# Altium PCB touch-tara-h-3 (final).PcbDoc (part 3 of 8) (continued)
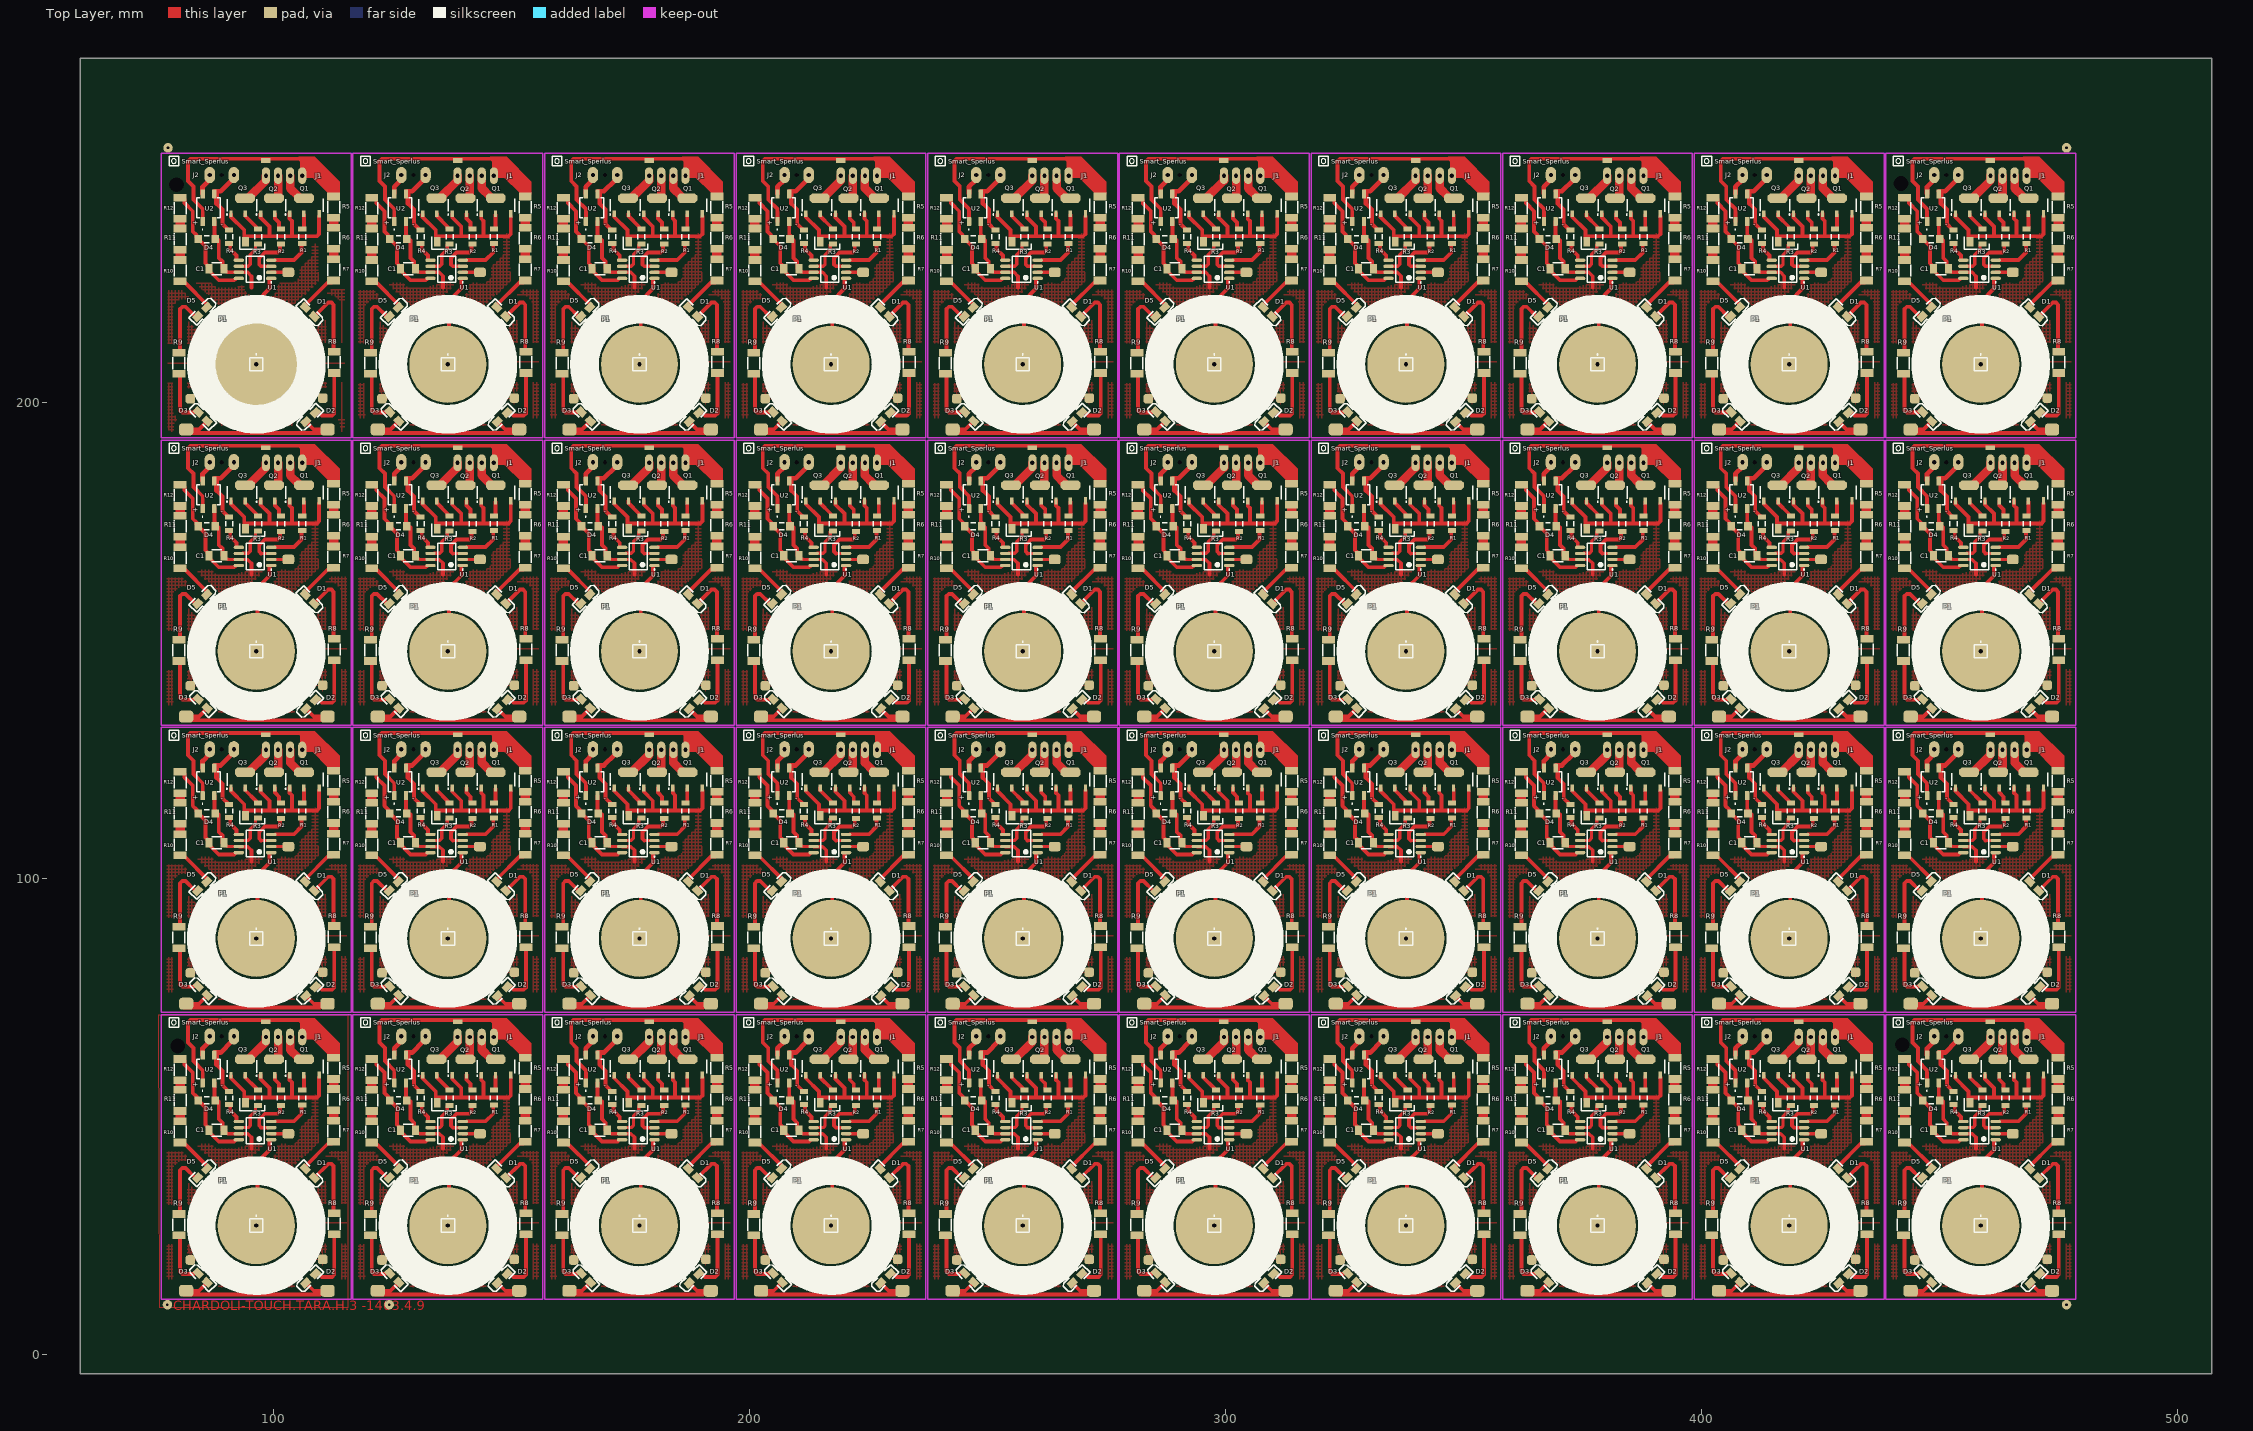
[diagram p0: Top Layer view]
## Nets (pads, with @x,y where several pads share a name; then routed paths per layer and width w, separated by ;. In a path a pad name is that pad's centre, name@x,y a point inside that pad or via, vN(x,y) a via of type N, cw(c..) or ccw(c..) an arc to the next point about the centre after c; other vN are vias at no path point) (continued)
Q3.1@171.601,239.627 Q3.1@211.86,58.652 Q3.1@211.86,118.977 Q3.1@211.86,179.302 Q3.1@211.86,239.627 Q3.1@252.119,58.652 Q3.1@252.119,118.977 Q3.1@252.119,179.302 Q3.1@252.119,239.627 Q3.1@292.378,58.652 Q3.1@292.378,118.977 Q3.1@292.378,179.302 Q3.1@292.378,239.627 Q3.1@332.637,58.652 Q3.1@332.637,118.977 Q3.1@332.637,179.302 Q3.1@332.637,239.627 Q3.1@372.896,58.652 Q3.1@372.896,118.977 Q3.1@372.896,179.302 Q3.1@372.896,239.627 Q3.1@413.155,58.652 Q3.1@413.155,118.977 Q3.1@413.155,179.302 Q3.1@413.155,239.627 Q3.1@453.414,58.652 Q3.1@453.414,118.977 Q3.1@453.414,179.302 Q3.1@453.414,239.627 Q3.2@93.98,122.301 Q3.2@93.98,182.626 Q3.2@93.98,242.951 Q3.2@134.239,61.976 Q3.2@134.239,122.301 Q3.2@134.239,182.626 Q3.2@134.239,242.951 Q3.2@174.498,61.976 Q3.2@174.498,122.301 Q3.2@174.498,182.626 Q3.2@174.498,242.951 Q3.2@214.757,61.976 Q3.2@214.757,122.301 Q3.2@214.757,182.626 Q3.2@214.757,242.951 Q3.2@255.016,61.976 Q3.2@255.016,122.301 Q3.2@255.016,182.626 Q3.2@255.016,242.951 Q3.2@295.275,61.976 Q3.2@295.275,122.301 Q3.2@295.275,182.626 Q3.2@295.275,242.951 Q3.2@335.534,61.976 Q3.2@335.534,122.301 Q3.2@335.534,182.626 Q3.2@335.534,242.951 Q3.2@375.793,61.976 Q3.2@375.793,122.301 Q3.2@375.793,182.626 Q3.2@375.793,242.951 Q3.2@416.052,61.976 Q3.2@416.052,122.301 Q3.2@416.052,182.626 Q3.2@416.052,242.951 Q3.2@456.311,61.976 Q3.2@456.311,122.301 Q3.2@456.311,182.626 Q3.2@456.311,242.951 Q3.3@94.083,118.977 Q3.3@94.083,179.302 Q3.3@94.083,239.627 Q3.3@134.342,58.652 Q3.3@134.342,118.977 Q3.3@134.342,179.302 Q3.3@134.342,239.627 Q3.3@174.601,58.652 Q3.3@174.601,118.977 Q3.3@174.601,179.302 Q3.3@174.601,239.627 Q3.3@214.86,58.652 Q3.3@214.86,118.977 Q3.3@214.86,179.302 Q3.3@214.86,239.627 Q3.3@255.119,58.652 Q3.3@255.119,118.977 Q3.3@255.119,179.302 Q3.3@255.119,239.627 Q3.3@295.378,58.652 Q3.3@295.378,118.977 Q3.3@295.378,179.302 Q3.3@295.378,239.627 Q3.3@335.637,58.652 Q3.3@335.637,118.977 Q3.3@335.637,179.302 Q3.3@335.637,239.627 Q3.3@375.896,58.652 Q3.3@375.896,118.977 Q3.3@375.896,179.302 Q3.3@375.896,239.627 Q3.3@416.155,58.652 Q3.3@416.155,118.977 Q3.3@416.155,179.302 Q3.3@416.155,239.627 Q3.3@456.414,58.652 Q3.3@456.414,118.977 Q3.3@456.414,179.302 Q3.3@456.414,239.627 R1.1@106.045,112.733 R1.1@106.045,173.058 R1.1@106.045,233.383 R1.1@146.304,52.408 R1.1@146.304,112.733 R1.1@146.304,173.058 R1.1@146.304,233.383 R1.1@186.563,52.408 R1.1@186.563,112.733 R1.1@186.563,173.058 R1.1@186.563,233.383 R1.1@226.822,52.408 R1.1@226.822,112.733 R1.1@226.822,173.058 R1.1@226.822,233.383 R1.1@267.081,52.408 R1.1@267.081,112.733 R1.1@267.081,173.058 R1.1@267.081,233.383 R1.1@307.34,52.408 R1.1@307.34,112.733 R1.1@307.34,173.058 R1.1@307.34,233.383 R1.1@347.599,52.408 R1.1@347.599,112.733 R1.1@347.599,173.058 R1.1@347.599,233.383 R1.1@387.858,52.408 R1.1@387.858,112.733 R1.1@387.858,173.058 R1.1@387.858,233.383 R1.1@428.117,52.408 R1.1@428.117,112.733 R1.1@428.117,173.058 R1.1@428.117,233.383 R1.1@468.376,52.408 R1.1@468.376,112.733 R1.1@468.376,173.058 R1.1@468.376,233.383 R1.2@106.045,115.824 R1.2@106.045,176.149 R1.2@106.045,236.474 R1.2@146.304,55.499 R1.2@146.304,115.824 R1.2@146.304,176.149 R1.2@146.304,236.474 R1.2@186.563,55.499 R1.2@186.563,115.824 R1.2@186.563,176.149 R1.2@186.563,236.474 R1.2@226.822,55.499 R1.2@226.822,115.824 R1.2@226.822,176.149 R1.2@226.822,236.474 R1.2@267.081,55.499 R1.2@267.081,115.824 R1.2@267.081,176.149 R1.2@267.081,236.474 R1.2@307.34,55.499 R1.2@307.34,115.824 R1.2@307.34,176.149 R1.2@307.34,236.474 R1.2@347.599,55.499 R1.2@347.599,115.824 R1.2@347.599,176.149 R1.2@347.599,236.474 R1.2@387.858,55.499 R1.2@387.858,115.824 R1.2@387.858,176.149 R1.2@387.858,236.474 R1.2@428.117,55.499 R1.2@428.117,115.824 R1.2@428.117,176.149 R1.2@428.117,236.474 R1.2@468.376,55.499 R1.2@468.376,115.824 R1.2@468.376,176.149 R1.2@468.376,236.474 R2.1@101.6,112.606 R2.1@101.6,172.931 R2.1@101.6,233.256 R2.1@141.859,52.281 R2.1@141.859,112.606 R2.1@141.859,172.931 R2.1@141.859,233.256 R2.1@182.118,52.281 R2.1@182.118,112.606 R2.1@182.118,172.931 R2.1@182.118,233.256 R2.1@222.377,52.281 R2.1@222.377,112.606 R2.1@222.377,172.931 R2.1@222.377,233.256 R2.1@262.636,52.281 R2.1@262.636,112.606 R2.1@262.636,172.931 R2.1@262.636,233.256 R2.1@302.895,52.281 R2.1@302.895,112.606 R2.1@302.895,172.931 R2.1@302.895,233.256 R2.1@343.154,52.281 R2.1@343.154,112.606 R2.1@343.154,172.931 R2.1@343.154,233.256 R2.1@383.413,52.281 R2.1@383.413,112.606 R2.1@383.413,172.931 R2.1@383.413,233.256 R2.1@423.672,52.281 R2.1@423.672,112.606 R2.1@423.672,172.931 R2.1@423.672,233.256 R2.1@463.931,52.281 R2.1@463.931,112.606 R2.1@463.931,172.931 R2.1@463.931,233.256 R2.2@101.6,115.824 R2.2@101.6,176.149 R2.2@101.6,236.474 R2.2@141.859,55.499 R2.2@141.859,115.824 R2.2@141.859,176.149 R2.2@141.859,236.474 R2.2@182.118,55.499 R2.2@182.118,115.824 R2.2@182.118,176.149 R2.2@182.118,236.474 R2.2@222.377,55.499 R2.2@222.377,115.824 R2.2@222.377,176.149 R2.2@222.377,236.474 R2.2@262.636,55.499 R2.2@262.636,115.824 R2.2@262.636,176.149 R2.2@262.636,236.474 R2.2@302.895,55.499 R2.2@302.895,115.824 R2.2@302.895,176.149 R2.2@302.895,236.474 R2.2@343.154,55.499 R2.2@343.154,115.824 R2.2@343.154,176.149 R2.2@343.154,236.474 R2.2@383.413,55.499 R2.2@383.413,115.824 R2.2@383.413,176.149 R2.2@383.413,236.474 R2.2@423.672,55.499 R2.2@423.672,115.824 R2.2@423.672,176.149 R2.2@423.672,236.474 R2.2@463.931,55.499 R2.2@463.931,115.824 R2.2@463.931,176.149 R2.2@463.931,236.474 R3.1@96.774,112.649 R3.1@96.774,172.974 R3.1@96.774,233.299 R3.1@137.033,52.324 R3.1@137.033,112.649 R3.1@137.033,172.974 R3.1@137.033,233.299 R3.1@177.292,52.324 R3.1@177.292,112.649 R3.1@177.292,172.974 R3.1@177.292,233.299 R3.1@217.551,52.324 R3.1@217.551,112.649 R3.1@217.551,172.974 R3.1@217.551,233.299 R3.1@257.81,52.324 R3.1@257.81,112.649 R3.1@257.81,172.974 R3.1@257.81,233.299 R3.1@298.069,52.324 R3.1@298.069,112.649 R3.1@298.069,172.974 R3.1@298.069,233.299 R3.1@338.328,52.324 R3.1@338.328,112.649 R3.1@338.328,172.974 R3.1@338.328,233.299 R3.1@378.587,52.324 R3.1@378.587,112.649 R3.1@378.587,172.974 R3.1@378.587,233.299 R3.1@418.846,52.324 R3.1@418.846,112.649 R3.1@418.846,172.974 R3.1@418.846,233.299 R3.1@459.105,52.324 R3.1@459.105,112.649 R3.1@459.105,172.974 R3.1@459.105,233.299 R3.2@96.774,115.824 R3.2@96.774,176.149 R3.2@96.774,236.474 R3.2@137.033,55.499 R3.2@137.033,115.824 R3.2@137.033,176.149 R3.2@137.033,236.474 R3.2@177.292,55.499 R3.2@177.292,115.824 R3.2@177.292,176.149 R3.2@177.292,236.474 R3.2@217.551,55.499 R3.2@217.551,115.824 R3.2@217.551,176.149 R3.2@217.551,236.474 R3.2@257.81,55.499 R3.2@257.81,115.824 R3.2@257.81,176.149 R3.2@257.81,236.474 R3.2@298.069,55.499 R3.2@298.069,115.824 R3.2@298.069,176.149 R3.2@298.069,236.474 R3.2@338.328,55.499 R3.2@338.328,115.824 R3.2@338.328,176.149 R3.2@338.328,236.474 R3.2@378.587,55.499 R3.2@378.587,115.824 R3.2@378.587,176.149 R3.2@378.587,236.474 R3.2@418.846,55.499 R3.2@418.846,115.824 R3.2@418.846,176.149 R3.2@418.846,236.474 R3.2@459.105,55.499 R3.2@459.105,115.824 R3.2@459.105,176.149 R3.2@459.105,236.474 R4.1@90.678,115.57 R4.1@90.678,175.895 R4.1@90.678,236.22 R4.1@130.937,55.245 R4.1@130.937,115.57 R4.1@130.937,175.895 R4.1@130.937,236.22 R4.1@171.196,55.245 R4.1@171.196,115.57 R4.1@171.196,175.895 R4.1@171.196,236.22 R4.1@211.455,55.245 R4.1@211.455,115.57 R4.1@211.455,175.895 R4.1@211.455,236.22 R4.1@251.714,55.245 R4.1@251.714,115.57 R4.1@251.714,175.895 R4.1@251.714,236.22 R4.1@291.973,55.245 R4.1@291.973,115.57 R4.1@291.973,175.895 R4.1@291.973,236.22 R4.1@332.232,55.245 R4.1@332.232,115.57 R4.1@332.232,175.895 R4.1@332.232,236.22 R4.1@372.491,55.245 R4.1@372.491,115.57 R4.1@372.491,175.895 R4.1@372.491,236.22 R4.1@412.75,55.245 R4.1@412.75,115.57 R4.1@412.75,175.895 R4.1@412.75,236.22 R4.1@453.009,55.245 R4.1@453.009,115.57 R4.1@453.009,175.895 R4.1@453.009,236.22 R4.2@90.678,112.776 R4.2@90.678,173.101 R4.2@90.678,233.426 R4.2@130.937,52.451 R4.2@130.937,112.776 R4.2@130.937,173.101 R4.2@130.937,233.426 R4.2@171.196,52.451 R4.2@171.196,112.776 R4.2@171.196,173.101 R4.2@171.196,233.426 R4.2@211.455,52.451 R4.2@211.455,112.776 R4.2@211.455,173.101 R4.2@211.455,233.426 R4.2@251.714,52.451 R4.2@251.714,112.776 R4.2@251.714,173.101 R4.2@251.714,233.426 R4.2@291.973,52.451 R4.2@291.973,112.776 R4.2@291.973,173.101 R4.2@291.973,233.426 R4.2@332.232,52.451 R4.2@332.232,112.776 R4.2@332.232,173.101 R4.2@332.232,233.426 R4.2@372.491,52.451 R4.2@372.491,112.776 R4.2@372.491,173.101 R4.2@372.491,233.426 R4.2@412.75,52.451 R4.2@412.75,112.776 R4.2@412.75,173.101 R4.2@412.75,233.426 R4.2@453.009,52.451 R4.2@453.009,112.776 R4.2@453.009,173.101 R4.2@453.009,233.426 R5.1@112.649,122.621 R5.1@112.649,182.946 R5.1@112.649,243.271 R5.1@152.908,62.296 R5.1@152.908,122.621 R5.1@152.908,182.946 R5.1@152.908,243.271 R5.1@193.167,62.296 R5.1@193.167,122.621 R5.1@193.167,182.946 R5.1@193.167,243.271 R5.1@233.426,62.296 R5.1@233.426,122.621 R5.1@233.426,182.946 R5.1@233.426,243.271 R5.1@273.685,62.296 R5.1@273.685,122.621 R5.1@273.685,182.946 R5.1@273.685,243.271 R5.1@313.944,62.296 R5.1@313.944,122.621 R5.1@313.944,182.946 R5.1@313.944,243.271 R5.1@354.203,62.296 R5.1@354.203,122.621 R5.1@354.203,182.946 R5.1@354.203,243.271 R5.1@394.462,62.296 R5.1@394.462,122.621 R5.1@394.462,182.946 R5.1@394.462,243.271 R5.1@434.721,62.296 R5.1@434.721,122.621 R5.1@434.721,182.946 R5.1@434.721,243.271 R5.1@474.98,62.296 R5.1@474.98,122.621 R5.1@474.98,182.946 R5.1@474.98,243.271 R5.2@112.649,118.171 R5.2@112.649,178.496 R5.2@112.649,238.821 R5.2@152.908,57.846 R5.2@152.908,118.171 R5.2@152.908,178.496 R5.2@152.908,238.821 R5.2@193.167,57.846 R5.2@193.167,118.171 R5.2@193.167,178.496 R5.2@193.167,238.821 R5.2@233.426,57.846 R5.2@233.426,118.171 R5.2@233.426,178.496 R5.2@233.426,238.821 R5.2@273.685,57.846 R5.2@273.685,118.171 R5.2@273.685,178.496 R5.2@273.685,238.821 R5.2@313.944,57.846 R5.2@313.944,118.171 R5.2@313.944,178.496 R5.2@313.944,238.821 R5.2@354.203,57.846 R5.2@354.203,118.171 R5.2@354.203,178.496 R5.2@354.203,238.821 R5.2@394.462,57.846 R5.2@394.462,118.171 R5.2@394.462,178.496 R5.2@394.462,238.821 R5.2@434.721,57.846 R5.2@434.721,118.171 R5.2@434.721,178.496 R5.2@434.721,238.821 R5.2@474.98,57.846 R5.2@474.98,118.171 R5.2@474.98,178.496 R5.2@474.98,238.821 R6.1@112.649,116.078 R6.1@112.649,176.403 R6.1@112.649,236.728 R6.1@152.908,55.753 R6.1@152.908,116.078 R6.1@152.908,176.403 R6.1@152.908,236.728 R6.1@193.167,55.753 R6.1@193.167,116.078 R6.1@193.167,176.403 R6.1@193.167,236.728 R6.1@233.426,55.753 R6.1@233.426,116.078 R6.1@233.426,176.403 R6.1@233.426,236.728 R6.1@273.685,55.753 R6.1@273.685,116.078 R6.1@273.685,176.403 R6.1@273.685,236.728 R6.1@313.944,55.753 R6.1@313.944,116.078 R6.1@313.944,176.403 R6.1@313.944,236.728 R6.1@354.203,55.753 R6.1@354.203,116.078 R6.1@354.203,176.403 R6.1@354.203,236.728 R6.1@394.462,55.753 R6.1@394.462,116.078 R6.1@394.462,176.403 R6.1@394.462,236.728 R6.1@434.721,55.753 R6.1@434.721,116.078 R6.1@434.721,176.403 R6.1@434.721,236.728 R6.1@474.98,55.753 R6.1@474.98,116.078 R6.1@474.98,176.403 R6.1@474.98,236.728 R6.2@112.649,111.628 R6.2@112.649,171.953 R6.2@112.649,232.278 R6.2@152.908,51.303 R6.2@152.908,111.628 R6.2@152.908,171.953 R6.2@152.908,232.278 R6.2@193.167,51.303 R6.2@193.167,111.628 R6.2@193.167,171.953 R6.2@193.167,232.278 R6.2@233.426,51.303 R6.2@233.426,111.628 R6.2@233.426,171.953 R6.2@233.426,232.278 R6.2@273.685,51.303 R6.2@273.685,111.628 R6.2@273.685,171.953 R6.2@273.685,232.278 R6.2@313.944,51.303 R6.2@313.944,111.628 R6.2@313.944,171.953 R6.2@313.944,232.278 R6.2@354.203,51.303 R6.2@354.203,111.628 R6.2@354.203,171.953 R6.2@354.203,232.278 R6.2@394.462,51.303 R6.2@394.462,111.628 R6.2@394.462,171.953 R6.2@394.462,232.278 R6.2@434.721,51.303 R6.2@434.721,111.628 R6.2@434.721,171.953 R6.2@434.721,232.278 R6.2@474.98,51.303 R6.2@474.98,111.628 R6.2@474.98,171.953 R6.2@474.98,232.278 R7.1@112.649,109.413 R7.1@112.649,169.738 R7.1@112.649,230.063 R7.1@152.908,49.088 R7.1@152.908,109.413 R7.1@152.908,169.738 R7.1@152.908,230.063 R7.1@193.167,49.088 R7.1@193.167,109.413 R7.1@193.167,169.738 R7.1@193.167,230.063 R7.1@233.426,49.088 R7.1@233.426,109.413 R7.1@233.426,169.738 R7.1@233.426,230.063 R7.1@273.685,49.088 R7.1@273.685,109.413 R7.1@273.685,169.738 R7.1@273.685,230.063 R7.1@313.944,49.088 R7.1@313.944,109.413 R7.1@313.944,169.738 R7.1@313.944,230.063 R7.1@354.203,49.088 R7.1@354.203,109.413 R7.1@354.203,169.738 R7.1@354.203,230.063 R7.1@394.462,49.088 R7.1@394.462,109.413 R7.1@394.462,169.738 R7.1@394.462,230.063 R7.1@434.721,49.088 R7.1@434.721,109.413 R7.1@434.721,169.738 R7.1@434.721,230.063 R7.1@474.98,49.088 R7.1@474.98,109.413 R7.1@474.98,169.738 R7.1@474.98,230.063 R7.2@112.649,104.963 R7.2@112.649,165.288 R7.2@112.649,225.613 R7.2@152.908,44.638 R7.2@152.908,104.963 R7.2@152.908,165.288 R7.2@152.908,225.613 R7.2@193.167,44.638 R7.2@193.167,104.963 R7.2@193.167,165.288 R7.2@193.167,225.613 R7.2@233.426,44.638 R7.2@233.426,104.963 R7.2@233.426,165.288 R7.2@233.426,225.613 R7.2@273.685,44.638 R7.2@273.685,104.963 R7.2@273.685,165.288 R7.2@273.685,225.613 R7.2@313.944,44.638 R7.2@313.944,104.963 R7.2@313.944,165.288 R7.2@313.944,225.613 R7.2@354.203,44.638 R7.2@354.203,104.963 R7.2@354.203,165.288 R7.2@354.203,225.613 R7.2@394.462,44.638 R7.2@394.462,104.963 R7.2@394.462,165.288 R7.2@394.462,225.613 R7.2@434.721,44.638 R7.2@434.721,104.963 R7.2@434.721,165.288 R7.2@434.721,225.613 R7.2@474.98,44.638 R7.2@474.98,104.963 R7.2@474.98,165.288 R7.2@474.98,225.613 R8.1@112.776,89.982 R8.1@112.776,150.307 R8.1@112.776,210.632 R8.1@153.035,29.657 R8.1@153.035,89.982 R8.1@153.035,150.307 R8.1@153.035,210.632 R8.1@193.294,29.657 R8.1@193.294,89.982 R8.1@193.294,150.307 R8.1@193.294,210.632 R8.1@233.553,29.657 R8.1@233.553,89.982 R8.1@233.553,150.307 R8.1@233.553,210.632 R8.1@273.812,29.657 R8.1@273.812,89.982 R8.1@273.812,150.307 R8.1@273.812,210.632 R8.1@314.071,29.657 R8.1@314.071,89.982 R8.1@314.071,150.307 R8.1@314.071,210.632 R8.1@354.33,29.657 R8.1@354.33,89.982 R8.1@354.33,150.307 R8.1@354.33,210.632 R8.1@394.589,29.657 R8.1@394.589,89.982 R8.1@394.589,150.307 R8.1@394.589,210.632 R8.1@434.848,29.657 R8.1@434.848,89.982 R8.1@434.848,150.307 R8.1@434.848,210.632 R8.1@475.107,29.657 R8.1@475.107,89.982 R8.1@475.107,150.307 R8.1@475.107,210.632 R8.2@112.776,85.532 R8.2@112.776,145.857 R8.2@112.776,206.182 R8.2@153.035,25.207 R8.2@153.035,85.532 R8.2@153.035,145.857 R8.2@153.035,206.182 R8.2@193.294,25.207 R8.2@193.294,85.532 R8.2@193.294,145.857 R8.2@193.294,206.182 R8.2@233.553,25.207 R8.2@233.553,85.532 R8.2@233.553,145.857 R8.2@233.553,206.182 R8.2@273.812,25.207 R8.2@273.812,85.532 R8.2@273.812,145.857 R8.2@273.812,206.182 R8.2@314.071,25.207 R8.2@314.071,85.532 R8.2@314.071,145.857 R8.2@314.071,206.182 R8.2@354.33,25.207 R8.2@354.33,85.532 R8.2@354.33,145.857 R8.2@354.33,206.182 R8.2@394.589,25.207 R8.2@394.589,85.532 R8.2@394.589,145.857 R8.2@394.589,206.182 R8.2@434.848,25.207 R8.2@434.848,85.532 R8.2@434.848,145.857 R8.2@434.848,206.182 R8.2@475.107,25.207 R8.2@475.107,85.532 R8.2@475.107,145.857 R8.2@475.107,206.182 R9.1@80.137,85.344 R9.1@80.137,145.669 R9.1@80.137,205.994 R9.1@120.396,25.019 R9.1@120.396,85.344 R9.1@120.396,145.669 R9.1@120.396,205.994 R9.1@160.655,25.019 R9.1@160.655,85.344 R9.1@160.655,145.669 R9.1@160.655,205.994 R9.1@200.914,25.019 R9.1@200.914,85.344 R9.1@200.914,145.669 R9.1@200.914,205.994 R9.1@241.173,25.019 R9.1@241.173,85.344 R9.1@241.173,145.669 R9.1@241.173,205.994 R9.1@281.432,25.019 R9.1@281.432,85.344 R9.1@281.432,145.669 R9.1@281.432,205.994 R9.1@321.691,25.019 R9.1@321.691,85.344 R9.1@321.691,145.669 R9.1@321.691,205.994 R9.1@361.95,25.019 R9.1@361.95,85.344 R9.1@361.95,145.669 R9.1@361.95,205.994 R9.1@402.209,25.019 R9.1@402.209,85.344 R9.1@402.209,145.669 R9.1@402.209,205.994 R9.1@442.468,25.019 R9.1@442.468,85.344 R9.1@442.468,145.669 R9.1@442.468,205.994 R9.2@80.137,89.794 R9.2@80.137,150.119 R9.2@80.137,210.444 R9.2@120.396,29.469 R9.2@120.396,89.794 R9.2@120.396,150.119 R9.2@120.396,210.444 R9.2@160.655,29.469 R9.2@160.655,89.794 R9.2@160.655,150.119 R9.2@160.655,210.444 R9.2@200.914,29.469 R9.2@200.914,89.794 R9.2@200.914,150.119 R9.2@200.914,210.444 R9.2@241.173,29.469 R9.2@241.173,89.794 R9.2@241.173,150.119 R9.2@241.173,210.444 R9.2@281.432,29.469 R9.2@281.432,89.794 R9.2@281.432,150.119 R9.2@281.432,210.444 R9.2@321.691,29.469 R9.2@321.691,89.794 R9.2@321.691,150.119 R9.2@321.691,210.444 R9.2@361.95,29.469 R9.2@361.95,89.794 R9.2@361.95,150.119 R9.2@361.95,210.444 R9.2@402.209,29.469 R9.2@402.209,89.794 R9.2@402.209,150.119 R9.2@402.209,210.444 R9.2@442.468,29.469 R9.2@442.468,89.794 R9.2@442.468,150.119 R9.2@442.468,210.444 R10.1@80.391,104.836 R10.1@80.391,165.161 R10.1@80.391,225.486 R10.1@120.65,44.511 R10.1@120.65,104.836 R10.1@120.65,165.161 R10.1@120.65,225.486 R10.1@160.909,44.511 R10.1@160.909,104.836 R10.1@160.909,165.161 R10.1@160.909,225.486 R10.1@201.168,44.511 R10.1@201.168,104.836 R10.1@201.168,165.161 R10.1@201.168,225.486 R10.1@241.427,44.511 R10.1@241.427,104.836 R10.1@241.427,165.161 R10.1@241.427,225.486 R10.1@281.686,44.511 R10.1@281.686,104.836 R10.1@281.686,165.161 R10.1@281.686,225.486 R10.1@321.945,44.511 R10.1@321.945,104.836 R10.1@321.945,165.161 R10.1@321.945,225.486 R10.1@362.204,44.511 R10.1@362.204,104.836 R10.1@362.204,165.161 R10.1@362.204,225.486 R10.1@402.463,44.511 R10.1@402.463,104.836 R10.1@402.463,165.161 R10.1@402.463,225.486 R10.1@442.722,44.511 R10.1@442.722,104.836 R10.1@442.722,165.161 R10.1@442.722,225.486 R10.2@80.391,109.286 R10.2@80.391,169.611 R10.2@80.391,229.936 R10.2@120.65,48.961 R10.2@120.65,109.286 R10.2@120.65,169.611 R10.2@120.65,229.936 R10.2@160.909,48.961 R10.2@160.909,109.286 R10.2@160.909,169.611 R10.2@160.909,229.936 R10.2@201.168,48.961 R10.2@201.168,109.286 R10.2@201.168,169.611 R10.2@201.168,229.936 R10.2@241.427,48.961 R10.2@241.427,109.286 R10.2@241.427,169.611 R10.2@241.427,229.936 R10.2@281.686,48.961 R10.2@281.686,109.286 R10.2@281.686,169.611 R10.2@281.686,229.936 R10.2@321.945,48.961 R10.2@321.945,109.286 R10.2@321.945,169.611 R10.2@321.945,229.936 R10.2@362.204,48.961 R10.2@362.204,109.286 R10.2@362.204,169.611 R10.2@362.204,229.936 R10.2@402.463,48.961 R10.2@402.463,109.286 R10.2@402.463,169.611 R10.2@402.463,229.936 R10.2@442.722,48.961 R10.2@442.722,109.286 R10.2@442.722,169.611 R10.2@442.722,229.936 R11.1@80.391,111.44 R11.1@80.391,171.765 R11.1@80.391,232.09 R11.1@120.65,51.115 R11.1@120.65,111.44 R11.1@120.65,171.765 R11.1@120.65,232.09 R11.1@160.909,51.115 R11.1@160.909,111.44 R11.1@160.909,171.765 R11.1@160.909,232.09 R11.1@201.168,51.115 R11.1@201.168,111.44 R11.1@201.168,171.765 R11.1@201.168,232.09 R11.1@241.427,51.115 R11.1@241.427,111.44 R11.1@241.427,171.765 R11.1@241.427,232.09 R11.1@281.686,51.115 R11.1@281.686,111.44 R11.1@281.686,171.765 R11.1@281.686,232.09 R11.1@321.945,51.115 R11.1@321.945,111.44 R11.1@321.945,171.765 R11.1@321.945,232.09 R11.1@362.204,51.115 R11.1@362.204,111.44 R11.1@362.204,171.765 R11.1@362.204,232.09 R11.1@402.463,51.115 R11.1@402.463,111.44 R11.1@402.463,171.765 R11.1@402.463,232.09 R11.1@442.722,51.115 R11.1@442.722,111.44 R11.1@442.722,171.765 R11.1@442.722,232.09 R11.2@80.391,115.89 R11.2@80.391,176.215 R11.2@80.391,236.54 R11.2@120.65,55.565 R11.2@120.65,115.89 R11.2@120.65,176.215 R11.2@120.65,236.54 R11.2@160.909,55.565 R11.2@160.909,115.89 R11.2@160.909,176.215 R11.2@160.909,236.54 R11.2@201.168,55.565 R11.2@201.168,115.89 R11.2@201.168,176.215 R11.2@201.168,236.54 R11.2@241.427,55.565 R11.2@241.427,115.89 R11.2@241.427,176.215 R11.2@241.427,236.54 R11.2@281.686,55.565 R11.2@281.686,115.89 R11.2@281.686,176.215 R11.2@281.686,236.54 R11.2@321.945,55.565 R11.2@321.945,115.89 R11.2@321.945,176.215 R11.2@321.945,236.54 R11.2@362.204,55.565 R11.2@362.204,115.89 R11.2@362.204,176.215 R11.2@362.204,236.54 R11.2@402.463,55.565 R11.2@402.463,115.89 R11.2@402.463,176.215 R11.2@402.463,236.54 R11.2@442.722,55.565 R11.2@442.722,115.89 R11.2@442.722,176.215 R11.2@442.722,236.54 R12.1@80.391,117.917 R12.1@80.391,178.242 R12.1@80.391,238.567 R12.1@120.65,57.592 R12.1@120.65,117.917 R12.1@120.65,178.242 R12.1@120.65,238.567 R12.1@160.909,57.592 R12.1@160.909,117.917 R12.1@160.909,178.242 R12.1@160.909,238.567 R12.1@201.168,57.592 R12.1@201.168,117.917 R12.1@201.168,178.242 R12.1@201.168,238.567 R12.1@241.427,57.592 R12.1@241.427,117.917 R12.1@241.427,178.242 R12.1@241.427,238.567 R12.1@281.686,57.592 R12.1@281.686,117.917 R12.1@281.686,178.242 R12.1@281.686,238.567 R12.1@321.945,57.592 R12.1@321.945,117.917 R12.1@321.945,178.242 R12.1@321.945,238.567 R12.1@362.204,57.592 R12.1@362.204,117.917 R12.1@362.204,178.242 R12.1@362.204,238.567 R12.1@402.463,57.592 R12.1@402.463,117.917 R12.1@402.463,178.242 R12.1@402.463,238.567 R12.1@442.722,57.592 R12.1@442.722,117.917 R12.1@442.722,178.242 R12.1@442.722,238.567 R12.2@80.391,122.367 R12.2@80.391,182.692 R12.2@80.391,243.017 R12.2@120.65,62.042 R12.2@120.65,122.367 R12.2@120.65,182.692 R12.2@120.65,243.017 R12.2@160.909,62.042 R12.2@160.909,122.367 R12.2@160.909,182.692 R12.2@160.909,243.017 R12.2@201.168,62.042 R12.2@201.168,122.367 R12.2@201.168,182.692 R12.2@201.168,243.017 R12.2@241.427,62.042 R12.2@241.427,122.367 R12.2@241.427,182.692 R12.2@241.427,243.017 R12.2@281.686,62.042 R12.2@281.686,122.367 R12.2@281.686,182.692 R12.2@281.686,243.017 R12.2@321.945,62.042 R12.2@321.945,122.367 R12.2@321.945,182.692 R12.2@321.945,243.017 R12.2@362.204,62.042 R12.2@362.204,122.367 R12.2@362.204,182.692 R12.2@362.204,243.017 R12.2@402.463,62.042 R12.2@402.463,122.367 R12.2@402.463,182.692 R12.2@402.463,243.017 R12.2@442.722,62.042 R12.2@442.722,122.367 R12.2@442.722,182.692 R12.2@442.722,243.017 U1.1@99.539,105.41 U1.1@99.539,165.735 U1.1@99.539,226.06 U1.1@139.798,45.085 U1.1@139.798,105.41 U1.1@139.798,165.735 U1.1@139.798,226.06 U1.1@180.057,45.085 U1.1@180.057,105.41 U1.1@180.057,165.735 U1.1@180.057,226.06 U1.1@220.316,45.085 U1.1@220.316,105.41 U1.1@220.316,165.735 U1.1@220.316,226.06 U1.1@260.575,45.085 U1.1@260.575,105.41 U1.1@260.575,165.735 U1.1@260.575,226.06 U1.1@300.834,45.085 U1.1@300.834,105.41 U1.1@300.834,165.735 U1.1@300.834,226.06 U1.1@341.093,45.085 U1.1@341.093,105.41 U1.1@341.093,165.735 U1.1@341.093,226.06 U1.1@381.352,45.085 U1.1@381.352,105.41 U1.1@381.352,165.735 U1.1@381.352,226.06 U1.1@421.611,45.085 U1.1@421.611,105.41 U1.1@421.611,165.735 U1.1@421.611,226.06 U1.1@461.87,45.085 U1.1@461.87,105.41 U1.1@461.87,165.735 U1.1@461.87,226.06 U1.2@99.539,106.68 U1.2@99.539,167.005 U1.2@99.539,227.33 U1.2@139.798,46.355 U1.2@139.798,106.68 U1.2@139.798,167.005 U1.2@139.798,227.33 U1.2@180.057,46.355 U1.2@180.057,106.68 U1.2@180.057,167.005 U1.2@180.057,227.33 U1.2@220.316,46.355 U1.2@220.316,106.68 U1.2@220.316,167.005 U1.2@220.316,227.33 U1.2@260.575,46.355 U1.2@260.575,106.68 U1.2@260.575,167.005 U1.2@260.575,227.33 U1.2@300.834,46.355 U1.2@300.834,106.68 U1.2@300.834,167.005 U1.2@300.834,227.33 U1.2@341.093,46.355 U1.2@341.093,106.68 U1.2@341.093,167.005 U1.2@341.093,227.33 U1.2@381.352,46.355 U1.2@381.352,106.68 U1.2@381.352,167.005 U1.2@381.352,227.33 U1.2@421.611,46.355 U1.2@421.611,106.68 U1.2@421.611,167.005 U1.2@421.611,227.33 U1.2@461.87,46.355 U1.2@461.87,106.68 U1.2@461.87,167.005 U1.2@461.87,227.33 U1.3@99.539,107.95 U1.3@99.539,168.275 U1.3@99.539,228.6 U1.3@139.798,47.625 U1.3@139.798,107.95 U1.3@139.798,168.275 U1.3@139.798,228.6 U1.3@180.057,47.625 U1.3@180.057,107.95 U1.3@180.057,168.275 U1.3@180.057,228.6 U1.3@220.316,47.625 U1.3@220.316,107.95 U1.3@220.316,168.275 U1.3@220.316,228.6 U1.3@260.575,47.625 U1.3@260.575,107.95 U1.3@260.575,168.275 U1.3@260.575,228.6 U1.3@300.834,47.625 U1.3@300.834,107.95 U1.3@300.834,168.275 U1.3@300.834,228.6 U1.3@341.093,47.625 U1.3@341.093,107.95 U1.3@341.093,168.275 U1.3@341.093,228.6 U1.3@381.352,47.625 U1.3@381.352,107.95 U1.3@381.352,168.275 U1.3@381.352,228.6 U1.3@421.611,47.625 U1.3@421.611,107.95 U1.3@421.611,168.275 U1.3@421.611,228.6 U1.3@461.87,47.625 U1.3@461.87,107.95 U1.3@461.87,168.275 U1.3@461.87,228.6 U1.4@99.539,109.22 U1.4@99.539,169.545 U1.4@99.539,229.87 U1.4@139.798,48.895 U1.4@139.798,109.22 U1.4@139.798,169.545 U1.4@139.798,229.87 U1.4@180.057,48.895 U1.4@180.057,109.22 U1.4@180.057,169.545 U1.4@180.057,229.87 U1.4@220.316,48.895 U1.4@220.316,109.22 U1.4@220.316,169.545 U1.4@220.316,229.87 U1.4@260.575,48.895 U1.4@260.575,109.22 U1.4@260.575,169.545 U1.4@260.575,229.87 U1.4@300.834,48.895 U1.4@300.834,109.22 U1.4@300.834,169.545 U1.4@300.834,229.87 U1.4@341.093,48.895 U1.4@341.093,109.22 U1.4@341.093,169.545 U1.4@341.093,229.87 U1.4@381.352,48.895 U1.4@381.352,109.22 U1.4@381.352,169.545 U1.4@381.352,229.87 U1.4@421.611,48.895 U1.4@421.611,109.22 U1.4@421.611,169.545 U1.4@421.611,229.87 U1.4@461.87,48.895 U1.4@461.87,109.22 U1.4@461.87,169.545 U1.4@461.87,229.87 U1.5@92.739,109.22 U1.5@92.739,169.545 U1.5@92.739,229.87 U1.5@132.998,48.895 U1.5@132.998,109.22 U1.5@132.998,169.545 U1.5@132.998,229.87 U1.5@173.257,48.895 U1.5@173.257,109.22 U1.5@173.257,169.545 U1.5@173.257,229.87 U1.5@213.516,48.895 U1.5@213.516,109.22 U1.5@213.516,169.545 U1.5@213.516,229.87 U1.5@253.775,48.895 U1.5@253.775,109.22 U1.5@253.775,169.545 U1.5@253.775,229.87 U1.5@294.034,48.895 U1.5@294.034,109.22 U1.5@294.034,169.545 U1.5@294.034,229.87 U1.5@334.293,48.895 U1.5@334.293,109.22 U1.5@334.293,169.545 U1.5@334.293,229.87 U1.5@374.552,48.895 U1.5@374.552,109.22 U1.5@374.552,169.545 U1.5@374.552,229.87 U1.5@414.811,48.895 U1.5@414.811,109.22 U1.5@414.811,169.545 U1.5@414.811,229.87 U1.5@455.07,48.895 U1.5@455.07,109.22 U1.5@455.07,169.545 U1.5@455.07,229.87 U1.6@92.739,107.95 U1.6@92.739,168.275 U1.6@92.739,228.6 U1.6@132.998,47.625 U1.6@132.998,107.95 U1.6@132.998,168.275 U1.6@132.998,228.6 U1.6@173.257,47.625 U1.6@173.257,107.95 U1.6@173.257,168.275 U1.6@173.257,228.6 U1.6@213.516,47.625 U1.6@213.516,107.95 U1.6@213.516,168.275 U1.6@213.516,228.6 U1.6@253.775,47.625 U1.6@253.775,107.95 U1.6@253.775,168.275 U1.6@253.775,228.6 U1.6@294.034,47.625 U1.6@294.034,107.95 U1.6@294.034,168.275 U1.6@294.034,228.6 U1.6@334.293,47.625 U1.6@334.293,107.95 U1.6@334.293,168.275 U1.6@334.293,228.6 U1.6@374.552,47.625 U1.6@374.552,107.95 U1.6@374.552,168.275 U1.6@374.552,228.6 U1.6@414.811,47.625 U1.6@414.811,107.95 U1.6@414.811,168.275 U1.6@414.811,228.6 U1.6@455.07,47.625 U1.6@455.07,107.95 U1.6@455.07,168.275 U1.6@455.07,228.6 U1.7@92.739,106.68 U1.7@92.739,167.005 U1.7@92.739,227.33 U1.7@132.998,46.355 U1.7@132.998,106.68 U1.7@132.998,167.005 U1.7@132.998,227.33 U1.7@173.257,46.355 U1.7@173.257,106.68 U1.7@173.257,167.005 U1.7@173.257,227.33 U1.7@213.516,46.355 U1.7@213.516,106.68 U1.7@213.516,167.005 U1.7@213.516,227.33 U1.7@253.775,46.355 U1.7@253.775,106.68 U1.7@253.775,167.005 U1.7@253.775,227.33 U1.7@294.034,46.355 U1.7@294.034,106.68 U1.7@294.034,167.005 U1.7@294.034,227.33 U1.7@334.293,46.355 U1.7@334.293,106.68 U1.7@334.293,167.005 U1.7@334.293,227.33 U1.7@374.552,46.355 U1.7@374.552,106.68 U1.7@374.552,167.005 U1.7@374.552,227.33 U1.7@414.811,46.355 U1.7@414.811,106.68 U1.7@414.811,167.005 U1.7@414.811,227.33 U1.7@455.07,46.355 U1.7@455.07,106.68 U1.7@455.07,167.005 U1.7@455.07,227.33 U1.8@92.739,105.41 U1.8@92.739,165.735 U1.8@92.739,226.06 U1.8@132.998,45.085 U1.8@132.998,105.41 U1.8@132.998,165.735 U1.8@132.998,226.06 U1.8@173.257,45.085 U1.8@173.257,105.41 U1.8@173.257,165.735 U1.8@173.257,226.06 U1.8@213.516,45.085 U1.8@213.516,105.41 U1.8@213.516,165.735 U1.8@213.516,226.06 U1.8@253.775,45.085 U1.8@253.775,105.41 U1.8@253.775,165.735 U1.8@253.775,226.06 U1.8@294.034,45.085 U1.8@294.034,105.41 U1.8@294.034,165.735 U1.8@294.034,226.06 U1.8@334.293,45.085 U1.8@334.293,105.41 U1.8@334.293,165.735 U1.8@334.293,226.06 U1.8@374.552,45.085 U1.8@374.552,105.41 U1.8@374.552,165.735 U1.8@374.552,226.06 U1.8@414.811,45.085 U1.8@414.811,105.41 U1.8@414.811,165.735 U1.8@414.811,226.06 U1.8@455.07,45.085 U1.8@455.07,105.41 U1.8@455.07,165.735 U1.8@455.07,226.06 U2.1@85.135,117.369 U2.1@85.135,177.694 U2.1@85.135,238.019 U2.1@125.394,57.044 U2.1@125.394,117.369